# Altium PCB PCB2.PcbDoc (part 4 of 5)
Units mil, origin at the board's own origin, x right, y up, seen from the top; angles counter-clockwise.
Board outline 7251.01 x 4901 mil, 2 copper layers (Top Layer, Bottom Layer); 561 components, 222 nets, 3589 pads, 148 vias.
Unrouted connection lines stored in the file: 457.
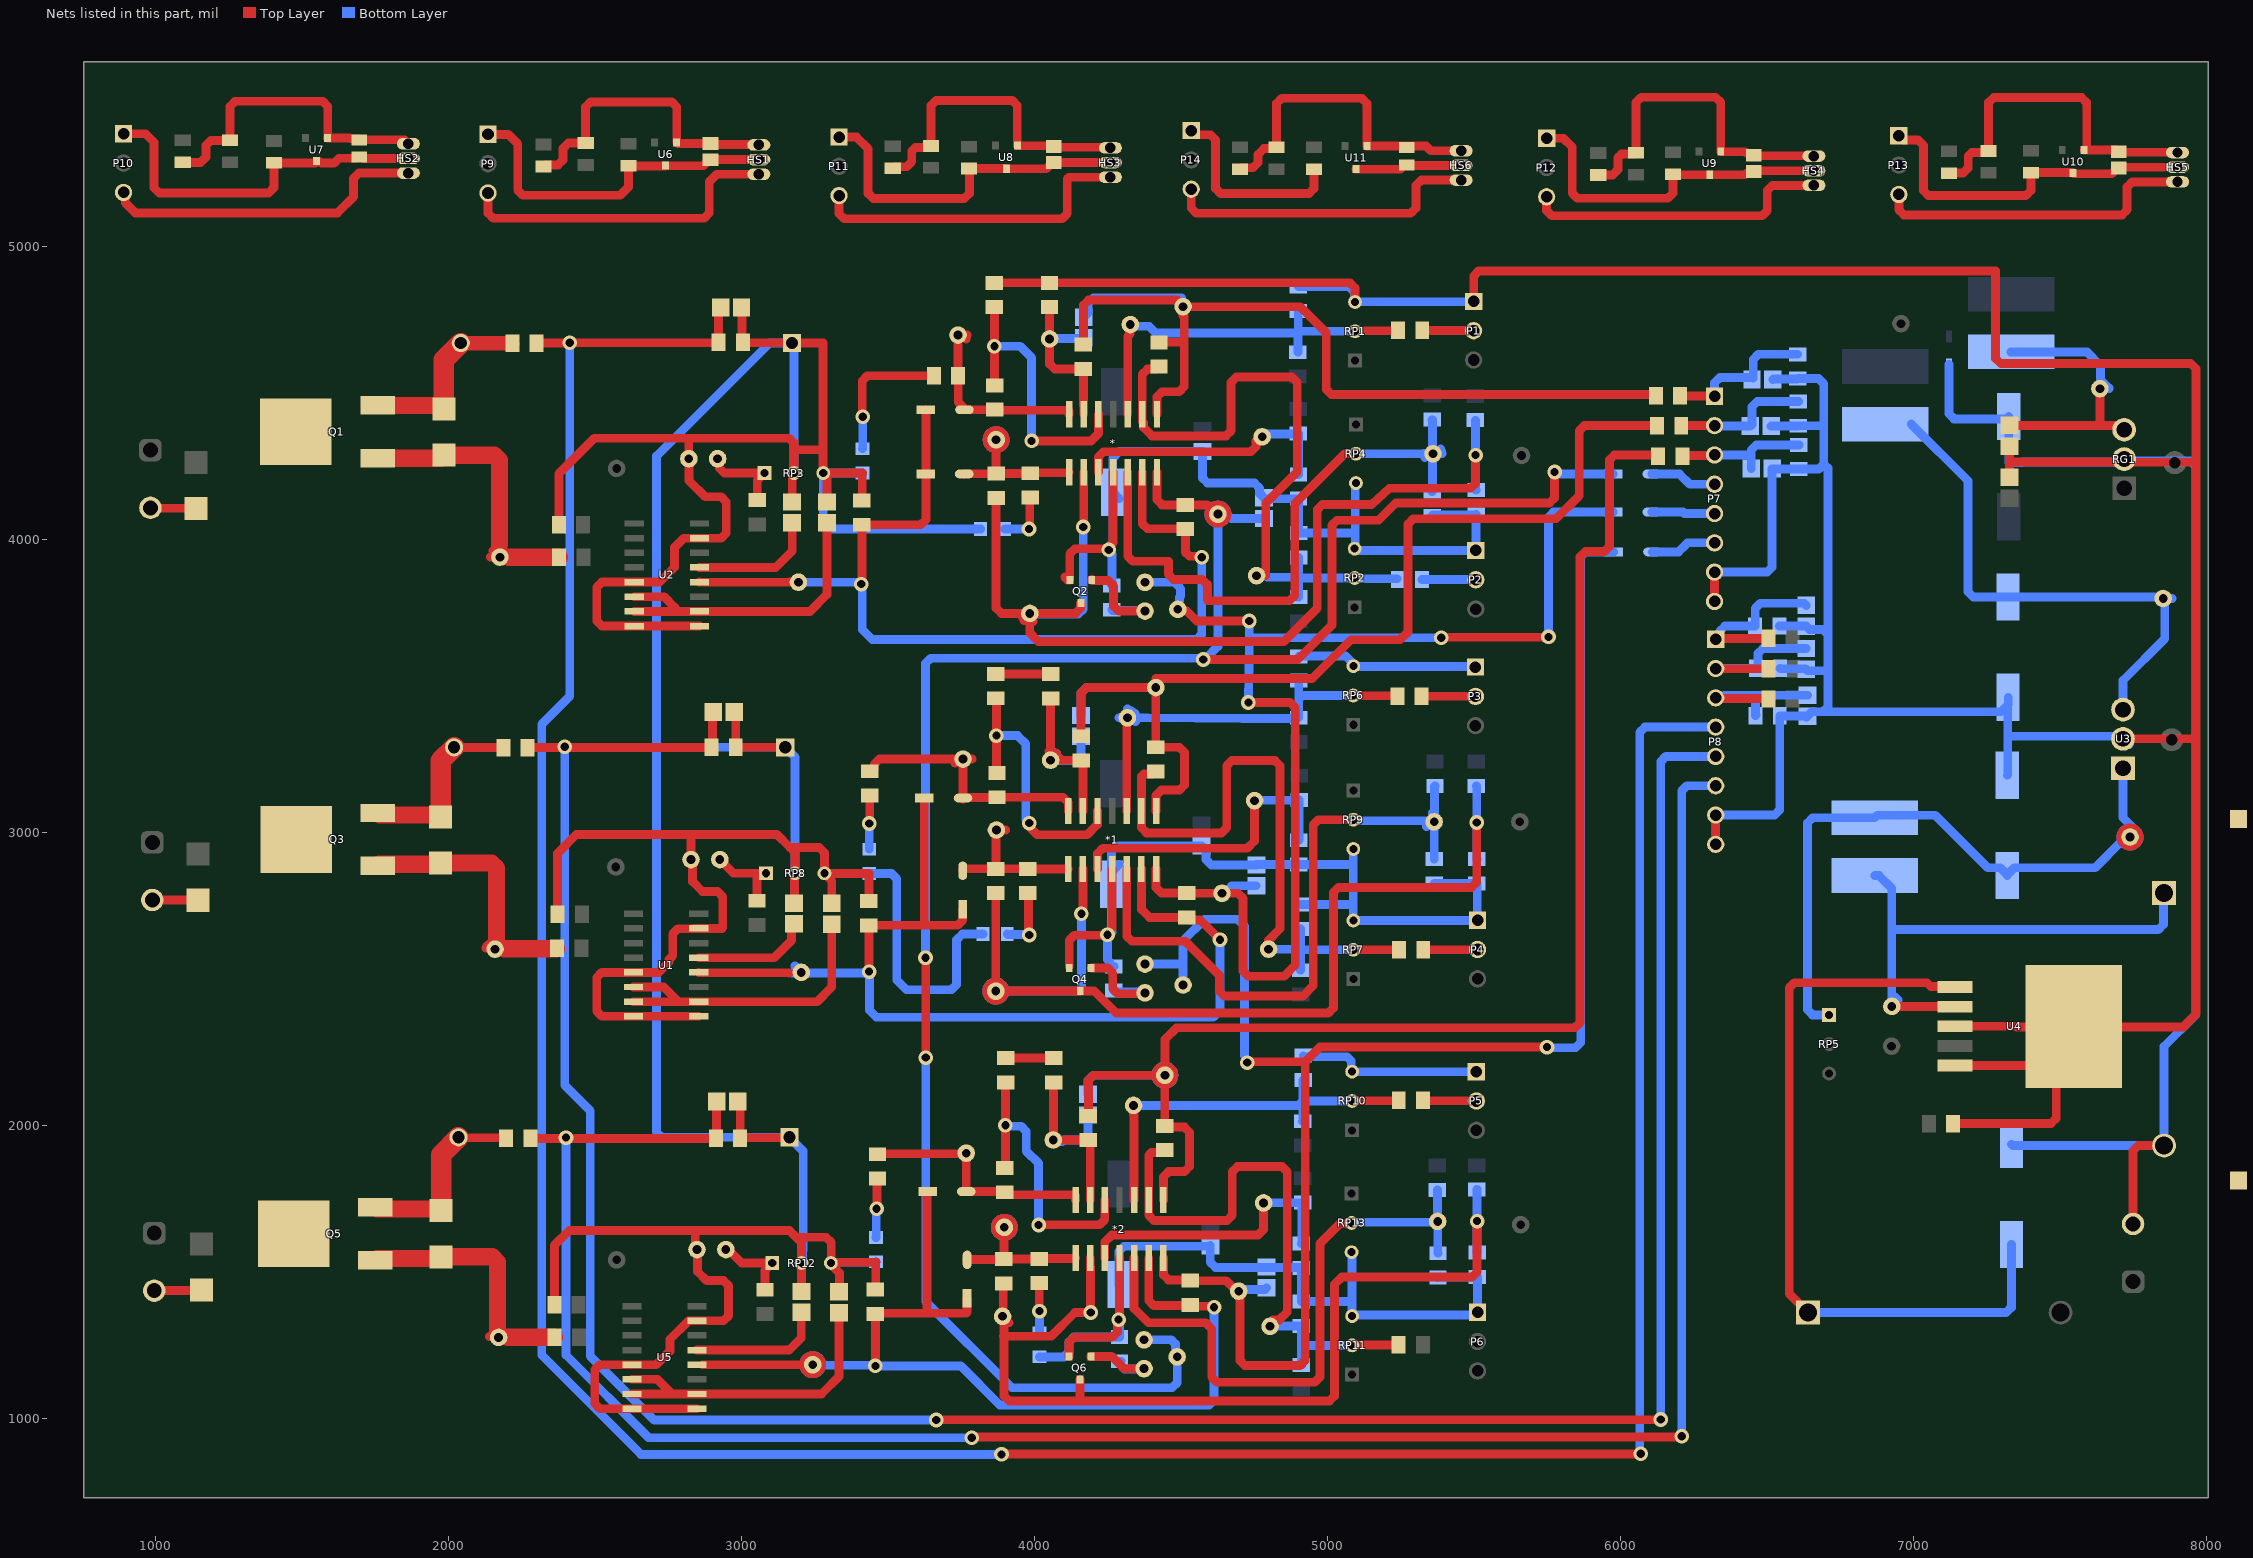
[diagram p4: the nets of this part, all layers, seen from the top]

## Via types
v1: diameter 60/60 (per signal layer), hole 28, Top Layer to Bottom Layer, 93 vias
v2: diameter 50, hole 28, Top Layer to Bottom Layer, 55 vias

## Nets (pads, with @x,y where several pads share a name; then routed paths per layer and width w, separated by ;. In a path a pad name is that pad's centre, name@x,y a point inside that pad or via, vN(x,y) a via of type N, cw(c..) or ccw(c..) an arc to the next point about the centre after c; other vN are vias at no path point) (continued)
GND: *1.11 *2.11 *3.11 *4.11 *5.11 *.11 C2.2 C3.2 C4.1 C5.2 C6.2 C7.2 C8.2 C9.1 C10.1 C11.2 C12.2 C14.1 C15.2 C16.2 C17.1 C18.1 C20.1 C21.2 C22.2 C23.1 C24.1 C25.1 C26.1 C27.1 C28.1 C29.1 C30.1 C31.1 C32.1 C33.1 C34.1 C35.1 C36.1 C37.1 C38.1 C39.1 C41.1 C42.1 C43.1 C44.2 C46.2 C47.1 C48.2 C49.1 C53.1 C54.1 C55.1 C56.1 C57.1 C60.1 C61.1 C62.1 C63.1 C64.2 C65.1 C67.1 C68.1 C69.1 C70.1 C71.1 C74.1 C75.2 C76.1 C78.1 C79.1 CR1.2 CR4.2 D4.2 D5.2 D10.2 D11.2 D17.2 D18.2 D24.2 D28.2 D30.2 D32.2 D34.2 D36.2 HS1.2 HS2.2 HS3.2 HS4.2 HS5.2 HS6.2 HS7.2 HS8.2 HS9.2 HS10.2 HS11.2 HS12.2 J1.2 J8.1 J9.1 J10.1 J13.1 J16.1 J19.1 P1.1 P2.1 P3.1 P4.1 P5.1 P6.1 P7.7 P7.8 P8.7 P8.8 P9.1 P10.1 P11.1 P12.1 P13.1 P14.1 Q2.2 Q4.2 Q6.2 R3.2 R7.1 R10.2 R11.2 R18.1 R20.2 R22.1 R23.1 R25.1 R26.2 R30.2 R33.1 R34.1 R37.2 R38.2 R45.1 R47.2 R49.1 R50.1 R52.1 R53.2 R57.2 R59.2 R60.1 R63.2 R64.2 R71.1 R73.2 R75.1 R76.1 R78.1 R79.2 R83.2 R84.2 R85.2 R87.1 R88.2 R92.2 R93.2 R94.2 R96.1 R97.2 R99.1 R100.2 R107.2 R108.2 R109.2 R116.2 R117.2 R118.2 R127.2 R128.1 R132.2 R133.2 R134.2 R135.2 R137.2 R143.1 R147.2 R149.2 R151.1 R152.1 R154.1 R158.2 R159.2 R160.2 R161.2 R165.2 R167.1 R168.2 R169.1 R173.2 R178.2 R187.1 R190.2 R191.2 R192.2 R194.2 R196.2 R198.1 R199.1 R201.1 R205.2 R209.2 R210.2 R211.2 R215.2 R217.2 R218.1 R222.2 R224.2 R230.1 R234.2 R236.2 R238.1 R239.1 R241.1 R242.2 RG1.2 RP1.3 RP2.3 RP3.2 RP3.3 RP4.3 RP6.3 RP7.3 RP8.2 RP8.3 RP9.3 RP10.3 RP11.3 RP12.2 RP12.3 RP13.3 RP14.3 RP15.2 RP15.3 RP16.3 RP17.3 RP19.3 RP20.2 RP20.3 RP21.3 RP22.3 RP23.3 RP24.2 RP24.3 RP25.3 RP26.3 U1.1 U1.7 U1.13 U1.16 U2.1 U2.7 U2.13 U2.16 U3.2 U4.3 U4.5 U4.6 U5.1 U5.7 U5.13 U5.16 U6.3 U7.3 U8.3 U9.3 U10.3 U11.3 U16.3 U17.3 U18.3 U19.3 U20.3 U21.3 Z1.2 | length 55110.5
  Top Layer w30: P10.1@890,5383 965,5383 994,5354 994,5198.57 1011.57,5181 1385.43,5181 1403,5198.57 R108.2@1403,5283.56 1542.94,5283.56 U7.3@1549,5289.63 1557.89,5289.63 1564.52,5283 1608.42,5283 1625.2,5299.77 1683.43,5299.77 1687.13,5303.47 C32.1@1695,5303.47 1702.87,5303.47 1707.35,5299 HS2.2@1862,5299 ; P9.1@2133.81,5381 2203,5381 2235,5349 2235,5190.57 2252.57,5173 2585.43,5173 2613,5200.57 R107.2@2613,5273.56 2738.9,5273.56 U6.3@2739.6,5274.26 2867.9,5274.26 2888.05,5294.41 C31.1@2893,5294.41 2893.59,5295 HS1.2@3058,5295 ; R71.1@2360.26,1387 2360.26,1589.26 2411,1640 2841.26,1640 ; R45.1@2371.26,2719 2371.26,2927.26 2436,2992 2821,2992 ; R18.1@2375.63,4049 2375.63,4222.63 2497,4344 2816,4344 ; U5.1@2847.5,1032 U5.16@2625,1032 2515.57,1032 2498,1049.57 2498,1164.43 2515.57,1182 U5.13@2625,1182 2708,1182 2755,1229 2755,1268.61 2818.39,1332 U5.7@2847.5,1332 2937.43,1332 2955,1349.57 2955,1451.43 2937.43,1469 2880,1469 2849,1500 2849,1573 J10.1@2847,1575 2841.26,1580.74 2841.26,1640 ; U1.1@2853.25,2371 U1.16@2630.75,2371 2522.57,2371 2505,2388.57 2505,2503.43 2522.57,2521 U1.13@2630.75,2521 2716,2521 2752,2557 2752,2565.86 2764,2577.86 2764,2652.43 2781.57,2670 2835.5,2670 2836.5,2671 U1.7@2853.25,2671 2932,2671 2935,2674 2935,2779.43 2917.43,2797 2866,2797 2832,2831 2832,2900.57 J9.1@2826.57,2906 2826.57,2986.43 2821,2992 ; U2.1@2855.25,3703 U2.16@2632.75,3703 2522.57,3703 2505,3720.57 2505,3835.43 2522.57,3853 U2.13@2632.75,3853 2719,3853 2770.57,3904.57 2770.57,3971.57 2802,4003 U2.7@2855.25,4003 2929.43,4003 2947,4020.57 2947,4126.43 2929.43,4144 2875,4144 2820,4199 2820,4273 J8.1@2819,4274 2819,4341 2816,4344 ; C38.1@2974,3409 2979.37,3403.63 R97.2@2979.37,3289 R96.1@3148,3289 ; C39.1@2986,2081 2994.37,2072.63 R100.2@2994.37,1955 2995.87,1956.5 3161.5,1956.5 R99.1@3163,1958 ; C37.1@2998.93,4790 3001.15,4787.78 3001.15,4673.22 R88.2@3003.37,4671 3004.37,4670 3170,4670 R87.1@3171,4669 3277.43,4669 3277.43,4305 ; C4.1@3172,4126.46 RP3.2@3172,4214.33 ; C14.1@3178,2757.46 3180,2759.46 3180,2857.2 RP8.2@3182,2859.2 3182,2929.43 3164.43,2947 ; RP3.2@3178,4225 3178,4308 ; C20.1@3203,1432 3203.5,1432.5 3203.5,1528.5 RP12.2@3204,1529 3204,1598.43 3185.43,1617 ; RP3.3@3278,4225 3277.43,4225.57 3277.43,4305 ; RP3.3@3280,4225.33 3411.67,4225.33 ; RP3.3@3291,4207.33 C5.2@3291,4126.46 C5.2@3293.45,4128.92 ; C15.2@3307,2756.46 3307,2833 3282,2858 RP8.3@3282,2859.2 ; C21.2@3331,1430.46 3333,1432.46 3333,1495.33 3304,1524.33 RP12.3@3304,1529 RP12.3@3305,1530 ; P11.1@3331.81,5372 3391,5372 3431,5332 3431,5179.57 3448.57,5162 3759.43,5162 3777,5179.57 3777,5262.56 R109.2@3775,5264.56 3902.07,5264.56 U8.3@3903,5263.63 4038.86,5263.63 4060.05,5284.82 C33.1@4065,5284.82 4065.18,5285 HS3.2@4258,5285 ; R11.2@3410,4131.37 3411,4132.37 3411,4224.66 3411.67,4225.33 ; 3412,4225.66 3411.67,4225.33 ; R38.2@3433,2764.37 3434,2765.37 3434,2857.66 3435,2858.66 3434.73,2858.93 3282.27,2858.93 RP8.3@3282,2859.2 ; R64.2@3456,1438.37 3457,1439.37 3457,1532.66 ; 3458,1533.66 3457,1532.66 ; R3.2@3861,4874.37 R10.2@4050,4874.37 5075.43,4874.37 5093,4856.8 RP1.3@5093,4809 ; R30.2@3867,3539.37 3867.19,3539.19 4053.81,3539.19 R37.2@4054,3539 ; R57.2@3901,2228.37 R63.2@4065,2228.37 ; 4102.02,3870.09 4111.74,3860.37 Q2.2@4119.6,3860.37 ; Q6.2@4116.6,1210.37 4116.6,1258.43 4134.17,1276 4264.6,1276 4282.17,1293.57 4282.17,1326.76 v2@4289,1326.76 ; Q4.2@4117.6,2541.37 4117.6,2630.43 4135.17,2648 4178,2648 4178.17,2647.83 4241.17,2647.83 4245.69,2645.29 4248,2644 v2(4248,2649.41) 4248,2654.82 4264,2670.82 *1.11@4264,2874 ; Q2.2@4119.6,3870.09 4119.6,3949.43 4137.17,3967 4177.59,3967 4177.76,3966.83 4243.17,3966.83 v2@4247,3963 ; v2(4252.41,3963) v2@4247,3963 ; *.11@4267,4228.03 4267,3988.41 4247,3968.41 v2@4247,3963 ; v2@4289,1322.57 v2@4289,1326.76 ; *2.11@4289,1546.06 v2@4289,1326.76 ; P14.1@4533.81,5394 4548.34,5379.47 4599.43,5379.47 4617,5361.9 4617,5196.57 4634.57,5179 4935.43,5179 4953,5196.57 R118.2@4953,5262.56 ; RP2.3@5088.5,3970.3 RP2.3@5091.8,3967 ; U11.3@5096.6,5262.26 5247.91,5262.26 5262.13,5276.47 C36.1@5270,5276.47 5271.47,5275 HS6.2@5455,5275 ; P1.1@5497.81,4811 5497.81,4897.43 5515.39,4915 7279,4915 7279,4616.57 7296.57,4599 7945.43,4599 7963,4581.43 7963,4262 ; P12.1@5746.81,5368 5804,5368 5834,5338 5834,5180.57 5851.57,5163 6160.43,5163 6178,5180.57 R116.2@6178,5244.56 6179.3,5243.26 U9.3@6303.6,5243.26 6424.73,5243.26 6429.14,5247.67 6447.26,5247.67 C34.1@6454,5254.41 6456.59,5257 HS4.2@6659,5257 ; P7.7@6320,3887 P7.8@6320,3787 P7.8@6326.1,3787 ; P8.8@6323.81,2958 P8.7@6323.81,3058 ; P13.1@6949,5376 6963.53,5361.47 7015.43,5361.47 7033,5343.9 7033,5189.57 7050.57,5172 7382.43,5172 7400,5189.57 R117.2@7400,5250.56 7542.07,5250.56 U10.3@7544,5248.63 ; R33.1@7134.37,2005 7468.43,2005 7486,2022.57 U4.6@7486,2276.61 ; U4.5@7140.69,2202.98 7412.38,2202.98 U4.6@7486,2276.61 ; U4.3@7140.69,2337 7349,2337 7351,2335 U4.6@7544.39,2335 ; C3.2@7326,4223 7326.5,4223.5 7326.5,4263 ; C2.2@7327,4317.07 7326.5,4316.57 7326.5,4263 ; U10.3@7545.6,5247.03 7675.67,5247.03 7697.64,5269 HS5.2@7900,5269 ; 7661,4263 7326.5,4263 ; 7670.7,4263.3 7702.63,4263.3 7703.93,4262 7963,4262 ; U3.2@7714,3318 7963,3318 ; J1.2@7748.31,1662.42 7748.31,1912.43 7765.89,1930 CR1.2@7854,1930 ; 2816,4344 3161.43,4344 3178,4327.43 3178,4308 ; 2821,2992 3119.43,2992 3164.43,2947 ; 2841.26,1640 3162.43,1640 3185.43,1617 ; 3164.43,2947 3264.43,2947 3282,2929.43 RP8.3@3282,2859.2 ; 3178,4308 3181,4305 3277.43,4305 ; 3185.43,1617 3287.43,1617 3305,1599.43 RP12.3@3305,1530 ; RP12.3@3305,1530 3306.33,1531.33 3455.67,1531.33 3457,1532.66 ; U4.6@7486,2276.61 U4.6@7544.39,2335 ; U4.6@7544.39,2335 7920,2335 7963,2378 7963,3318 ; 7963,3318 7963,4262
  Bottom Layer w30: RP3.2@3178,4225 3178,4662 R87.1@3171,4669 3095,4669 2709,4283 2709,3293 ; RP8.2@3182,2859.2 3182,3255 R96.1@3148,3289 2713,3289 2709,3293 ; RP12.2@3204,1529 3207.3,1532.3 3207.3,1570.3 3210,1573 3210,1911 R99.1@3163,1958 2726.57,1958 2709,1975.57 2709,3293 ; RP8.3@3282,2859.2 3282.27,2858.93 3434.73,2858.93 D10.2@3435,2858.66 3435.66,2858 3511.43,2858 3529,2840.43 3529,2495 3562,2462 3715.43,2462 3733,2479.57 3733,2632 3753,2652 D11.2@3823.32,2652 ; RP12.3@3304,1529 3306.33,1531.33 3455.67,1531.33 D17.2@3458,1533.66 ; D4.2@3412,4225.66 3411.67,4225.33 3278.33,4225.33 RP3.3@3278,4225 3278,4051.57 3295.57,4034 D5.2@3814.66,4034 ; D18.2@4016,1208.66 4099.02,1208.66 4116.6,1226.23 4116.6,1259.43 4134.17,1277 4288.37,1277 R78.1@4289,1276.37 4289,1336 C8.2@4289,1454 ; v2@4247,3968.41 4266,3987.41 C16.2@4266,4159.74 ; v2@4260.04,3955.37 v2(4252.41,3963) 4252.41,3957.59 4263,3947 R25.1@4263,3841.37 ; v2@4262,2663.41 C22.2@4262,2822 C22.2@4262,2863.34 ; v2@4263,2659 4253.41,2649.41 v2(4248,2649.41) 4248,2563.74 4255.31,2556.43 4255.31,2550.49 4264.06,2541.74 R52.1@4270,2541.74 ; C8.2@4287,1456 4287,1568.43 4304.57,1586 4596.46,1586 C24.1@4599,1588.54 4599,1531.62 4616.57,1514.05 4908.58,1514.05 R76.1@4910,1512.63 R73.2@4910,1397.37 5082.1,1397.37 ; C22.2@4287.92,2889.26 C22.2@4262,2863.34 ; C16.2@4288.11,4137.63 C16.2@4266,4159.74 ; C17.1@4756,2887.46 4602.21,2887.46 4584.63,2905.04 4584.63,2938.38 4570.02,2953 C18.1@4569,2953 4279.57,2953 4262,2935.43 C22.2@4262,2863.34 ; C17.1@4756,2889.26 R50.1@4901,2889.26 5084.74,2889.26 5087,2887 ; C9.1@4783,4137.63 R23.1@4900,4137.63 4900.5,4137.13 4900.5,4020.87 R20.2@4901,4020.37 5093.27,4020.37 5093.9,4021 ; C9.1@4783,4141 4781.98,4141 4767.37,4155.62 4767.37,4173.43 4749.79,4191 4589.57,4191 4572,4208.57 C10.1@4572,4298.54 4288.54,4298.54 4266,4276 C16.2@4266,4159.74 ; R7.1@4899,4861 5072.81,4861 5090.38,4843.43 5090.38,4811.62 RP1.3@5093,4809 5094,4810 5496.81,4810 P1.1@5497.81,4811 ; R34.1@4902.38,3600.75 5060.8,3600.75 5083.7,3577.86 5083.7,3569.3 RP6.3@5087,3566 5088.5,3564.5 5502.5,3564.5 P3.1@5504,3563 ; R47.2@4908,2752.37 5086.37,2752.37 5087,2753 ; R60.1@4916,2236.74 4919.74,2233 5065.43,2233 5079.7,2218.73 5079.7,2185.3 RP10.3@5083,2182 P5.1@5507,2182 ; RP13.3@5081.2,1566 5082.1,1565.1 5082.1,1397.37 ; RP9.3@5087,2942 5087,2887 ; RP4.3@5096,4191 5093.9,4188.9 5093.9,4021 ; R26.2@5356,4078.63 5359,4081.63 5503,4081.63 R22.1@5505.5,4084.13 ; R53.2@5363,2824.63 5363.19,2824.81 5508.81,2824.81 R49.1@5509,2825 5510,2824 5510,2700 P4.1@5511,2699 5510.5,2698.5 5087.5,2698.5 RP7.3@5087,2698 5087,2753 ; R79.2@5376,1479.63 5377,1480.63 5509,1480.63 R75.1@5510,1481.63 5510.5,1481.13 5510.5,1361.5 P6.1@5511,1361 5501.3,1351.3 5086.3,1351.3 RP11.3@5083,1348 5082.1,1348.9 5082.1,1397.37 ; R22.1@5506,4084.63 R22.1@5505.5,4084.13 ; P7.8@6320,3787 P7.7@6320,3887 6498.89,3887 6516.46,3904.57 C27.1@6516.46,4240 6517.15,4239.31 6607.31,4239.31 R85.2@6608,4238.63 6675.43,4238.63 6693,4256.2 ; P8.8@6323.81,2958 P8.7@6323.81,3058 6524.8,3058 6542.37,3075.57 R92.2@6542.37,3397 6543.1,3396.27 6628.45,3396.27 6633.09,3391.63 C28.1@6634.09,3392.63 ; C26.1@6513,4385 6513.81,4385.81 6605.19,4385.81 R84.2@6606,4386.63 6690.37,4386.63 6693,4384 ; C25.1@6518.46,4544 6520.28,4545.81 6602.19,4545.81 R83.2@6604,4547.63 6675.43,4547.63 6693,4530.05 6693,4384 ; R94.2@6541.37,3703 6541.6,3702.77 C30.1@6632.77,3702.77 ; R93.2@6543.37,3559 6545.1,3557.27 6631.27,3557.27 C29.1@6633,3555.54 6637.92,3550.61 6707,3550.61 ; C30.1@6633,3702.54 6644.47,3691.07 6689.43,3691.07 6707,3673.5 ; C28.1@6637,3395.54 6651.62,3410.15 6689.43,3410.15 ; Z1.2@7120,4596.76 7120,4427.57 7137.57,4410 7315.74,4410 C6.2@7324,4418.26 7324,4260 7370,4260 7370,4263 RG1.2@7718,4263 ; C11.2@7319,3194 7320.5,3195.5 7320.5,3326.87 ; C7.2@7322,3459.74 7322,3434.52 C7.2@7320.5,3433.02 ; C12.2@7333,1934.52 7337.52,1930 CR1.2@7854,1930 7854,2268 7962,2376 7962,4248.43 7944.43,4266 7890.81,4266 7725,4266 RG1.2@7718,4273 ; U3.2@7735.26,3298.31 7706.7,3326.87 7320.5,3326.87 ; 5087,2753 5087,2887 ; 5093.9,4021 5093.9,3969.1 RP2.3@5091.8,3967 5096.47,3967 5102.47,3961 P2.1@5505,3961 5505.5,3961.5 R22.1@5505.5,4084.13 ; 6689.43,3410.15 7297.63,3410.15 C7.2@7320.5,3433.02 ; 6689.43,3410.15 6707,3427.73 6707,3550.61 ; 6693,4256.2 6707,4242.2 6707,3673.5 ; 6693,4256.2 6693,4384 ; 6707,3550.61 6707,3673.5 ; 7320.5,3326.87 C7.2@7320.5,3433.02
  other v2: 4286,1336
Net*1_1: *1.1 *4.1 C13.1 C59.1 R27.2 R36.2 R82.2 R126.2 R162.2 R172.2 TP21.1 TP75.1 | length 3686.9
  Top Layer w30: R36.2@4158,3327 4158,3475.43 4175.57,3493 4382.07,3493 ; 4413,3462.07 R27.2@4413,3289.37 4493.43,3289.37 4511,3271.8 4511,3160.57 4493.43,3143 4431.57,3143 4414,3125.43 *1.1@4414,3071.94 ; TP21.1@4413,3493 4413,3523.93 4946.93,3523.93 5079,3656 5246,3656 5274,3684 5274,4051.43 5291.57,4069 5779,4069 5858.07,4148.07 5858.07,4369.43 5875.64,4387 R82.2@6123.63,4387
  Bottom Layer w30: C13.1@4158,3397.93 4158,3475.43 4175.57,3493 4382.1,3493
  other v1: 51765,3055
Net*1_2: *1.2 *4.2 R27.1 R42.2 R43.1 R47.1 R162.1 R185.2 R186.1 R194.1 RP7.2 RP21.2 TP27.1 TP83.1 | length 2143.9
  Top Layer w30: R27.1@4413,3206.63 4404.25,3197.88 4372.82,3197.88 4364,3189.05 *1.2@4364,3071.94 4364,3014.57 4381.57,2997 4637.43,2997 4655,3014.57 4655,3226.43 4672.57,3244 4819.43,3244 4837,3226.43 4837,2669.93 4798,2630.93 TP27.1@4798,2600 ; RP7.2@5087,2598 R42.2@5243,2598
  Bottom Layer w30: 4828.9,2600 4906.5,2600 4907.5,2599 ; R43.1@4907,2528.37 4907.5,2528.87 4907.5,2599 ; R47.1@4908,2669.63 4907.5,2669.13 4907.5,2599 ; RP7.2@5087,2598 4908.5,2598 4907.5,2599
  other v1: 40990,3055
Net*1_3: *1.3 R28.2 R29.1 R34.2 RP6.2 TP23.1 | length 1473.8
  Top Layer w10: TP23.1@4331,3390 TP23.1@4333,3392
  Top Layer w30: *1.3@4314,3071.94 TP23.1@4314,3390 ; RP6.2@5087,3466 5088,3465 5236.63,3465 R28.2@5237.63,3464
  Bottom Layer w30: TP23.1@4287.03,3390 TP23.1@4316,3390 4323.65,3390 4324.12,3390 4326.12,3392 4329.9,3392 4337.12,3392 TP23.1@4344.03,3392 ; 4316,3420.9 4328.63,3413.47 4343.02,3405 ; TP23.1@4323.65,3405 4333.29,3391.76 4337.87,3385.47 4334.96,3386.07 4344.03,3377 ; 4346.9,3390 4384.56,3390 4706.22,3387 4886.31,3387 R29.1@4901,3390 4901,3453.31 ; R34.2@4901,3516.63 4901,3453.31 ; RP6.2@5087,3466 4913.69,3466 4901,3453.31
Net*1_5: *1.5 R30.1 R31.2 | length 960.8
  Top Layer w30: R30.1@3867,3456.63 3869,3454.63 v2(3869,3329) 3869,3203.37 R31.2@3871,3201.37 ; v2(3981,3030.41) 3984.83,3026.59 3984.83,3014.75 4008.57,2991 4179,2991 4214,3026 *1.5@4214,3071.94
  Bottom Layer w30: v2(3869,3329) 3941,3329 3969,3301 3969,3042.41 v2(3981,3030.41)
Net*1_6: *1.6 C13.2 R36.1 R37.1 TP22.1 | length 666.9
  Top Layer w30: 4048,3275.34 4061.44,3271.57 4074.89,3267.81 ; R37.1@4048,3456.63 4051.19,3453.44 4054,3450.63 4054,3275.93 ; 4083.83,3253.17 4084.37,3249.59 4084.91,3246 ; 4084.92,3244.63 4157.63,3244.63 R36.1@4158,3244.26 4164,3238.26 *1.6@4164,3071.94
  Bottom Layer w30: TP22.1@4054,3245 4056,3243 4084.84,3243 4140.43,3243 4158,3260.57 C13.2@4158,3327 ; 4054,3275.9 4064.28,3271.99 4074.55,3268.08
Net*1_7: *1.7 D7.2 R13.2 R31.1 TP50.1 | length 919.7
  Top Layer w30: R13.2@3437,3207.37 3442.94,3207.37 3451.69,3216.12 3451.69,3231.43 3469.26,3249 3724.07,3249 ; 3727.34,3235.17 3725.71,3242.08 3724.07,3249 ; D7.2@3754.97,3116 D7.2@3755,3112.03 ; 3785.93,3249 TP50.1@3755,3249 ; R31.1@3871,3118 3755,3118 3755,3218.07 TP50.1@3755,3249 ; R31.1@3871,3118.63 4096.43,3118.63 4114,3101.05 *1.7@4114,3071.94 ; 3724.07,3249 TP50.1@3755,3249
Net*1_8: *1.8 D9.2 R48.2 R123.1 TP29.1 | length 532
  Top Layer w30: D9.2@3754,2867.97 3754,2874.37 R123.1@3867,2874.37 ; v2(3869,3007) TP29.1@3868,3006 ; 3899.93,3007 3869.03,3006.03 TP29.1@3868,3006 ; *1.8@4114,2874 4113.81,2874.19 3976.19,2874.19 R48.2@3976,2874.37 R123.1@3867,2874.37 ; R123.1@3867,2874.37 3868,2875.37 3868,2976.09 TP29.1@3868,3006
Net*1_9: *1.9 Q4.3 R46.2 R49.2 R123.2 TP30.1 | length 3543.3
  Top Layer w30: 3867,2487.93 R123.2@3867,2791.63 ; 3897.93,2457.63 4203.23,2457.63 4278.86,2382 5001.43,2382 5019,2399.57 5019,2793.43 5036.57,2811 5490.43,2811 5508,2828.57 v2(5508,3032.5) ; v2(4159,2721) 4158,2711 4162.34,2719.25 4164,2722.41 *1.9@4164,2874
  Bottom Layer w30: v1(3867,2457) 3897.9,2457 4155,2457 4159,2461 v2(4159,2721) ; R46.2@5507,3157.26 5508,3156.26 v2(5508,3032.5) 5508,2908.74 R49.2@5509,2907.74
Net*1_10: *1.10 R41.2 R50.2 TP28.1 | length 1033.8
  Top Layer w30: *1.10@4214,2874 4214,2926.73 4231.57,2944.31 4724.73,2944.31 4750,2969.57 TP28.1@4750,3107
  Bottom Layer w30: TP28.1@4750,3107 4751.13,3108.13 4780.88,3108.13 4900.87,3108.13 R41.2@4901.5,3108.76 ; R50.2@4901,2972 4901.5,2972.5 R41.2@4901.5,3108.76 ; R41.2@4902,3109.26 R41.2@4901.5,3108.76
Net*1_12: *1.12 R51.1 R53.1 RP9.2 TP33.1 | length 2303.5
  Top Layer w30: *1.12@4314,2874 4314,2644.57 4331.57,2627 4514,2627 4630,2511 4630,2457.57 4647.57,2440 4914,2440 4950,2476 4950,3024.43 4967.57,3042 RP9.2@5087,3042
  Bottom Layer w30: RP9.2@5087,3042 5090.3,3038.7 5332.32,3038.7 5334.73,3028.4 5337.13,3018.09 ; 5356.9,3065.29 5359.95,3065.6 5363,3065.9 ; R53.1@5363,2907.37 5363,3004.1 5363.31,3035 5363.61,3065.9 R51.1@5364.5,3155.76 ; 5364.5,3065.87 R51.1@5364.5,3155.76 ; R51.1@5366,3157.26 R51.1@5364.5,3155.76
Net*1_13: *1.13 D7.1 D9.1 R38.1 R120.2 TP24.1 U1.4 | length 3605.2
  Top Layer w30: U1.4@2853.25,2521 2854.25,2520 3161,2520 3162,2519 ; v2(3434.5,2523.5) 3434.5,2680.13 R38.1@3433,2681.63 3736.42,2681.63 3754,2699.2 D9.1@3754,2736.03 ; 3623.03,2681.63 D7.1@3623.03,3116 ; *1.13@4364,2874 4364,2736 4391.37,2708.63 R120.2@4524.94,2708.63 ; R120.2@4519,2708.63 4527.75,2699.88 4564.12,2699.88 v2(4632,2632)
  Bottom Layer w30: 3172.16,2519 3207.49,2519 3233.84,2519 3233.9,2519 3433,2519 v2@3436,2522 ; 3181.15,2542.85 TP24.1@3207.49,2530.93 ; v2(3434.5,2523.5) v2@3436,2522 ; v2(4632,2632) 4632,2391.57 4608.52,2368.1 3459.48,2368.1 3436,2391.57 v2@3436,2522
Net*1_14: *1.14 *4.14 C17.2 C67.2 D20.1 D25.1 J6.1 J14.1 R120.1 R195.1 TP16.1 TP32.1 TP69.1 TP88.1 | length 4310.3
  Top Layer w30: J6.1@4372.75,3855.68 J6.1@4376,3852.43 ; *1.14@4414,2874 4414,2809.76 4431.57,2792.19 4518.19,2792.19 R120.1@4519,2791.37 4519.19,2791.19 4608.07,2791.19 ; TP16.1@4488,3760 4493.74,3754.26 4518.39,3754.26 4552.65,3720 v2(4732,3720) ; TP32.1@4639,2791 4654,2791 4669.93,2791 4693.43,2791 4711,2773.43 4711,2525.57 4728.57,2508 4851,2508 4889,2546 4889,3424.43 4871.43,3442 v2(4729,3442) ; v2(5387,3663) 5388.5,3664.5 5751.5,3664.5 v2(5753,3666)
  Bottom Layer w30: J6.1@4376,3852.43 4477.43,3852.43 4495,3834.85 4495,3832 4497.57,3829.43 4497.57,3804.57 4493.74,3800.74 4493.74,3790.36 ; 4664.53,2808.41 4672.65,2816.54 C17.2@4756,2816.54 ; v2(4729,3442) 4732,3641.15 4732,3663 ; v2(4732,3720) 4732,3663 ; v2(5387,3663) 4732,3663 ; v2(5753,3666) 5753,4074.43 5770.57,4092 D20.1@5974.07,4092
  other v1: 34190,3055 60945,3055
Net*2_1: *2.1 *5.1 C19.1 C72.1 R54.2 R62.2 R81.2 R125.2 R212.2 R221.2 TP36.1 TP91.1 | length 4948.7
  Top Layer w30: R62.2@4183,2031.37 4183,2152.43 4200.57,2170 4413.07,2170 ; *2.1@4439,1744 4439,1823.43 4456.57,1841 4510.43,1841 4528,1858.57 4528,1975.43 4510.43,1993 4447.37,1993 R54.2@4443,1997.37 4443.5,1997.87 4443.5,2139.08 ; v1(4444,2170) 4444,2200.93 4444,2292 4484,2332 5843.43,2332 5861,2349.57 5861,3939.43 5878.57,3957 5943.43,3957 5961,3974.57 5961,4269.43 5978.57,4287 6123.63,4287 R81.2@6127.63,4283
  Bottom Layer w30: C19.1@4182,2104.93 4182,2152.43 4199.57,2170 4413.1,2170 v1(4444,2170)
  other v1: 24610,3055
Net*2_2: *2.2 *5.2 R54.1 R68.2 R69.1 R73.1 R212.1 R228.2 R229.1 R234.1 RP11.2 RP25.2 TP42.1 TP99.1 | length 2061.5
  Top Layer w30: R54.1@4443,1914.63 4434.25,1905.88 4397.82,1905.88 4389,1897.05 *2.2@4389,1744 4389,1691.89 4406.57,1674.32 4656.43,1674.32 4674,1691.89 4674,1840.43 4691.57,1858 4844.35,1858 4861.93,1840.43 4861.93,1362.06 4834.74,1334.87 TP42.1@4812.87,1334.87 ; RP11.2@5083,1248 5084,1249 5240.63,1249 R68.2@5241.63,1250
  Bottom Layer w30: TP42.1@4791,1313 4791.81,1313.81 4821.89,1313.81 4909.19,1313.81 R73.1@4910,1314.63 4910,1249 4930,1249 4931,1248 ; R69.1@4910,1181.37 4910,1248 4931,1248 ; RP11.2@5083,1248 4931,1248
  other v1: 16035,3055
Net*2_3: *2.3 R55.2 R56.1 R60.2 RP10.2 TP38.1 | length 1374.3
  Top Layer w30: 4337,2036.07 TP38.1@4337,2067 ; *2.3@4339,1744 4339,2034.07 ; RP10.2@5083,2082 5084,2083 5241,2083 R55.2@5242,2084
  Bottom Layer w30: TP38.1@4337,2067 4367.9,2067 4901.37,2067 4915,2080.63 ; R56.1@4914,2012.74 4915,2013.74 4915,2080.63 ; R60.2@4916,2154 4915,2153 4915,2083.37 4916.37,2082 ; RP10.2@5083,2082 4916.37,2082 ; 4915,2080.63 4916.37,2082
Net*2_5: *2.5 R57.1 R58.2 | length 1010.7
  Top Layer w30: R58.2@3898,1853.37 3899.5,1854.87 v2(3899.5,1999.5) 3899.5,2144.13 R57.1@3901,2145.63 ; v2(4013,1659) 4013.62,1659.62 4221.43,1659.62 4239,1677.2 *2.5@4239,1744
  Bottom Layer w30: v2(3899.5,1999.5) 3903.33,1995.67 3953.43,1995.67 3971,1978.1 3971,1911 4013,1869 v2(4013,1659)
Net*2_6: *2.6 C19.2 R62.1 R63.1 TP37.1 | length 660.9
  Top Layer w30: 4064,1979.91 4064,2144.63 R63.1@4065,2145.63 ; 4093.93,1948.81 4182.81,1948.81 R62.1@4183,1948.63 4189,1942.63 *2.6@4189,1744
  Bottom Layer w30: TP37.1@4063,1949 4068.74,1943.26 4093.36,1943.26 4099.1,1949 4164.43,1949 4182,1966.57 C19.2@4182,2034